# Altium PCB iMX6 Rex_V1I1_PCB.PcbDoc (part 5 of 8) (continued)
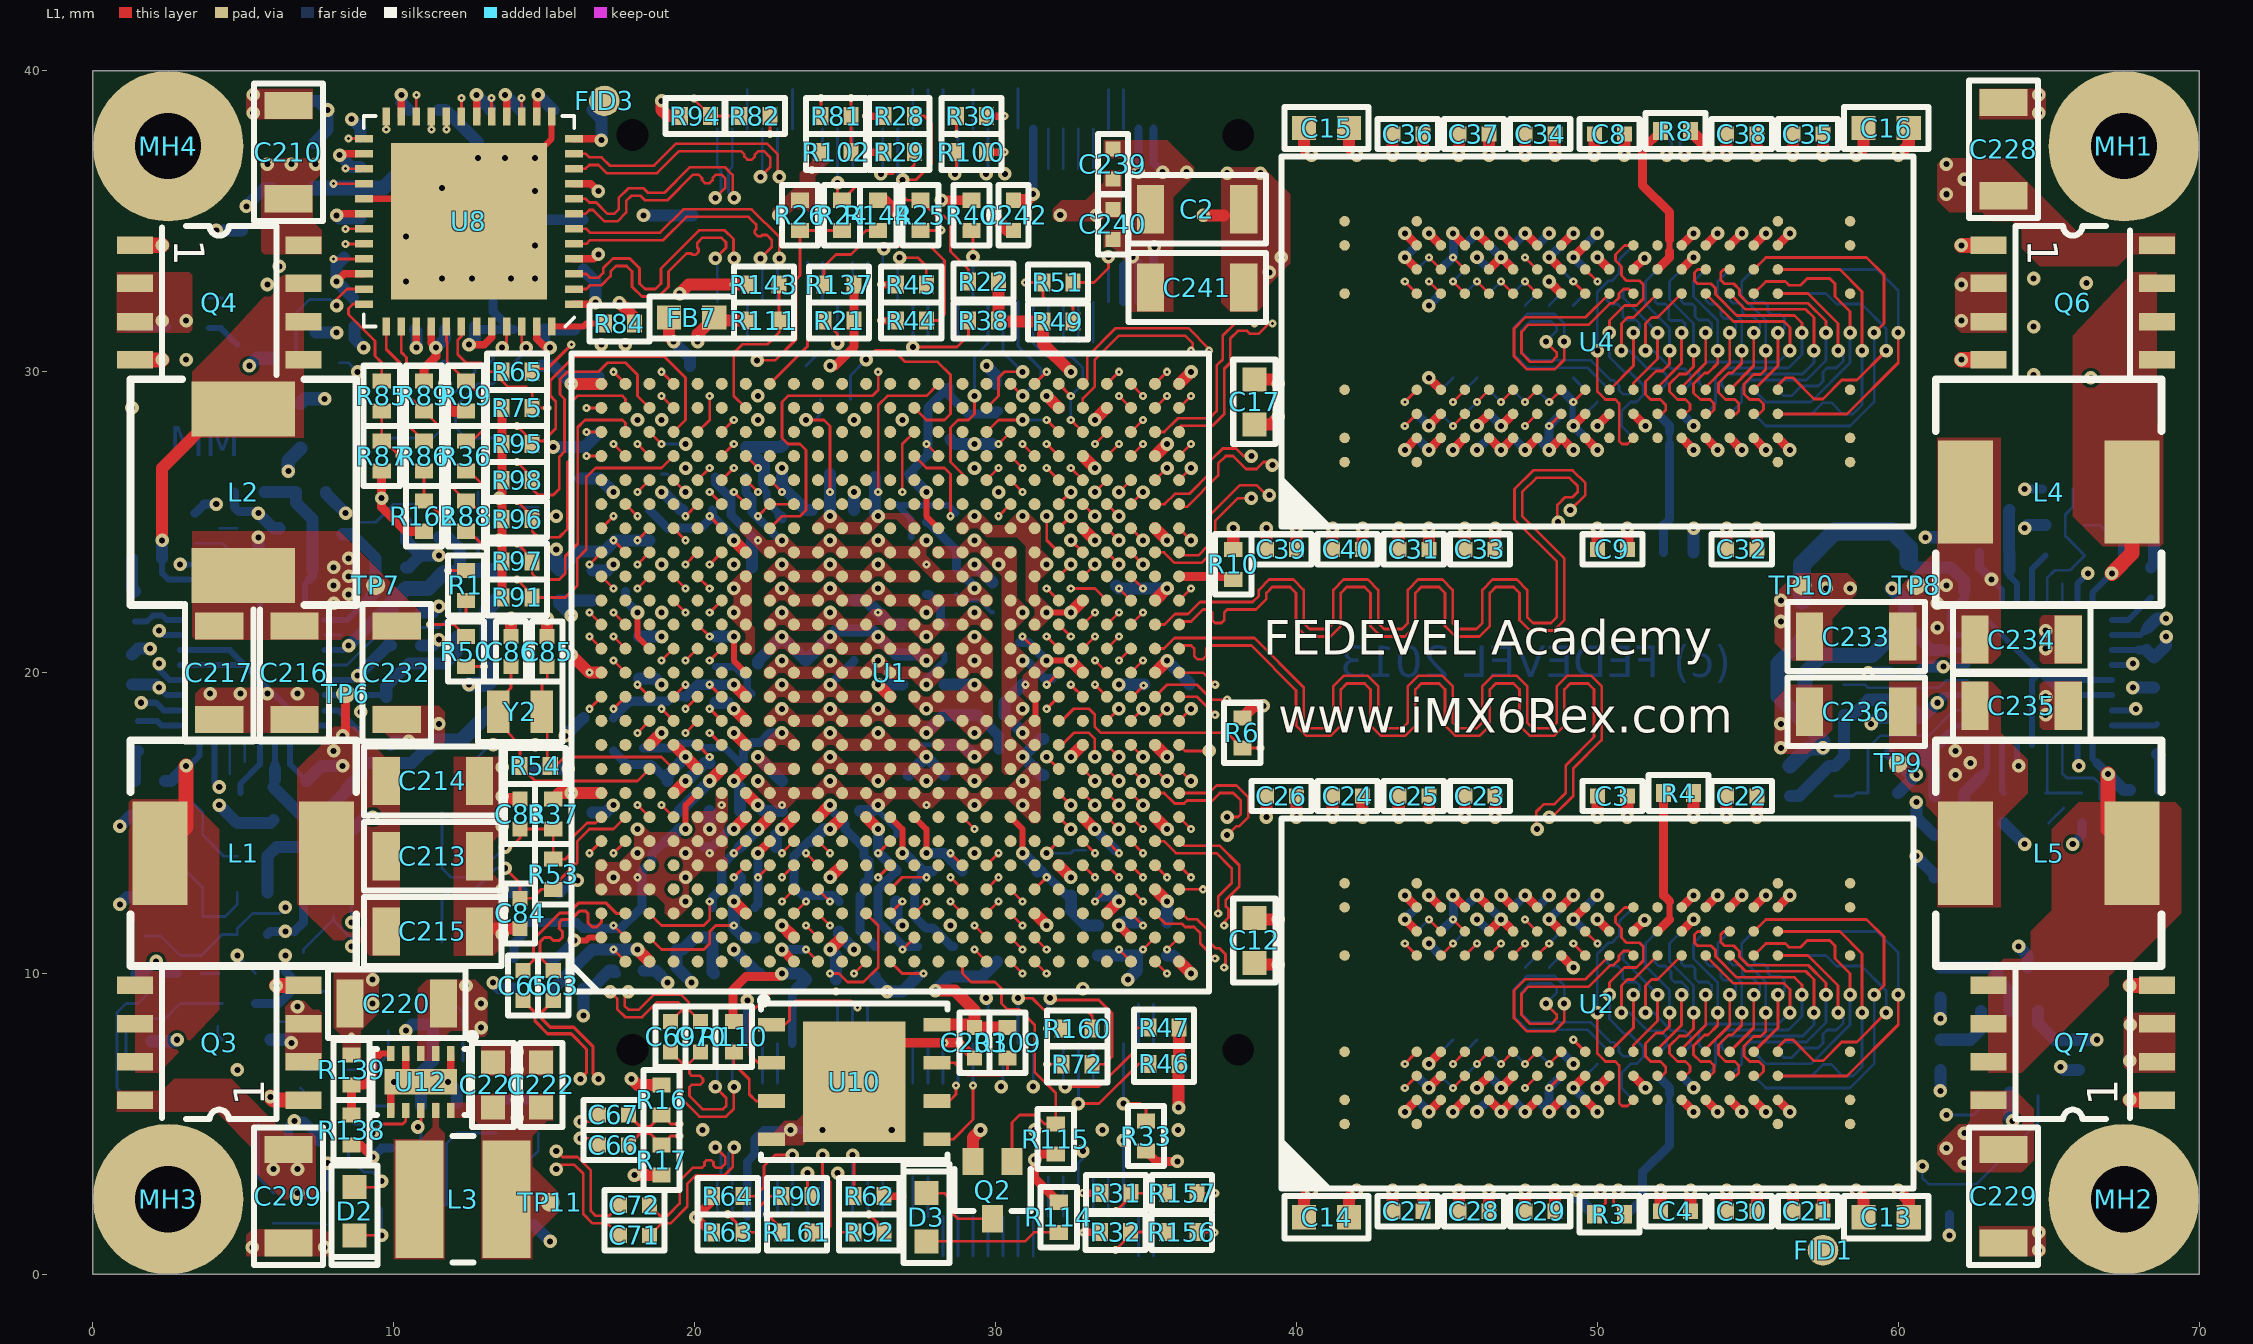
[diagram p0: L1 view]
## Nets (pads, with @x,y where several pads share a name; then routed paths per layer and width w, separated by ;. In a path a pad name is that pad's centre, name@x,y a point inside that pad or via, vN(x,y) a via of type N, cw(c..) or ccw(c..) an arc to the next point about the centre after c; other vN are vias at no path point) (continued)
  L11 w0.1: v6(25.25,33.242) v5(25.25,33.642)
  L12 w0.09: J1.41@25.25,32.33 v5(25.25,33.642)
HDMI_D1_N: J1.46 U1.J3 | length 32.1
  L1 w0.09: U1.J3@23.3,12 v4(23.7,12.4)
  L2 w0.1: v3(23.4,12.1) v4(23.7,12.4)
  L3 w0.085: v3(23.4,12.1) v4(23.7,12.4)
  L10 w0.085: v4(23.7,12.4) 23.523,12.577 23.523,12.727 23.616,12.82 23.964,12.82 24.232,12.552 24.768,12.552 25.116,12.9 25.7,12.9 26.532,13.732 26.532,14.317 27.1,14.884 27.1,25.284 27.3,25.484 27.3,27.704 27.582,27.986 27.582,29.914 26.88,30.616 26.88,31 27,31.12 27,32.86 24.98,34.88 24.98,35.416 24.548,35.848 24.216,35.848 24.06,36.004 24.06,36.14 24.25,36.331 v6(24.25,36.357)
  L11 w0.1: v6(24.25,36.357) v5(24.25,36.758)
  L12 w0.09: v5(24.25,36.758) J1.46@24.25,38.07
  other v2: 23.7,12.4
HDMI_D1_P: J1.48 U1.J4 | length 32.1
  L1 w0.09: v2(22.9,12.4) U1.J4@23.3,12.8
  L2 w0.1: v2(22.9,12.4) v3(23.2,12.7)
  L3 w0.085: v2(22.9,12.4) v3(23.2,12.7)
  L10 w0.085: v2(22.9,12.4) 23.243,12.743 23.243,12.843 23.5,13.1 24.08,13.1 24.348,12.832 24.652,12.832 25,13.18 ; v6(23.75,36.357) 23.78,36.328 23.78,35.888 24.1,35.568 24.432,35.568 24.7,35.3 24.7,34.764 26.72,32.744 26.72,31.236 26.6,31.116 26.6,30.5 27.302,29.798 27.302,28.102 27.02,27.82 27.02,25.6 26.82,25.4 26.82,15 26.252,14.433 26.252,13.848 25.584,13.18 25,13.18
  L11 w0.1: v6(23.75,36.357) v5(23.75,36.758)
  L12 w0.09: v5(23.75,36.758) J1.48@23.75,38.07
  other v4: 22.9,12.4
HDMI_D2_N: J1.40 U1.K3 | length 32.1
  L1 w0.09: U1.K3@24.1,12 v2(24.5,11.6)
  L2 w0.1: v2(24.5,11.6) v3(24.8,11.3)
  L3 w0.085: v3(24.8,11.3) v4(25.1,11.6)
  L10 w0.085: v4(25.1,11.6) 25.1,12.004 25.196,12.1 26.716,12.1 28.4,13.784 28.4,14.266 28.8,14.666 28.8,15.46 28.38,15.88 28.38,27.384 28.882,27.886 28.882,29.714 28.308,30.288 28.308,32.392 27.53,33.17 27.53,33.991 26.941,34.58 26.825,34.58 25.728,35.677 25.728,36.335 v6(25.75,36.357)
  L11 w0.1: v6(25.75,36.357) v5(25.75,36.758)
  L12 w0.09: v5(25.75,36.758) J1.40@25.75,38.07
HDMI_D2_P: J1.42 U1.K4 | length 32.1
  L1 w0.09: U1.K4@24.1,12.8 v2(24.5,12.4)
  L2 w0.1: v2(24.5,12.4) v3(24.8,12.1)
  L3 w0.085: v4(24.5,11.8) v3(24.8,12.1)
  L10 w0.085: v4(24.5,11.8) 25.08,12.38 26.6,12.38 28.12,13.9 28.12,14.382 28.52,14.782 28.52,15.344 28.1,15.764 28.1,27.5 28.602,28.002 28.602,29.598 28.028,30.172 28.028,32.277 27.25,33.054 27.25,33.875 26.825,34.3 26.709,34.3 25.448,35.561 25.448,36.133 25.25,36.331 v6(25.25,36.357)
  L11 w0.1: v6(25.25,36.357) v5(25.25,36.758)
  L12 w0.09: v5(25.25,36.758) J1.42@25.25,38.07
HDMI_DDC: R24.1 R26.2 U1.K2 | length 31.7
  L1 w0.093: v1(22.075,30.38) 22.675,30.38 23.375,31.08 23.375,33.075 23.5,33.2 R26.2@23.5,34.7 R24.1@24.9,34.7 ; v2(23.7,11.6) U1.K2@24.1,11.2
  L2 w0.1: v3(23.4,11.3) v2(23.7,11.6)
  L3 w0.08: v4(22.9,17.2) 22.525,16.825 22.525,16.295 22.23,16 21.5,16 20.9,15.4 20.9,14.485 20.5,14.085 20.5,12.6 21.1,12 21.7,12 22.475,11.225 23.325,11.225 v3(23.4,11.3)
  L10 w0.08: v1(22.075,30.38) 22.075,29.705 21.725,29.355 21.725,28.245 21.945,28.025 22.188,28.025 22.575,27.638 22.575,27.162 22.4,26.987 22.4,26.758 23,26.158 23,25.075 22.525,24.6 22.525,17.845 22.9,17.47 v4(22.9,17.2)
HDMI_HPD: C74.2 J1.43 R21.1 U1.K1 | length 37
  L1 w0.093: v2(23.7,10.8) U1.K1@24.1,10.4 ; R21.1@24.3,31.7 24.75,31.25 v1(24.75,30.955)
  L2 w0.1: v3(23.4,10.5) v2(23.7,10.8)
  L3 w0.08: v4(22.9,16.4) 22.9,15.475 22.525,15.1 22.525,13.7 22.4,13.575 22.4,12.2 22.625,11.975 23.055,11.975 23.215,11.815 23.385,11.815 23.685,11.515 23.685,10.785 v3(23.4,10.5)
  L10 w0.08: v4(22.9,16.4) 22.9,16.67 22.475,17.095 22.475,17.4 22.325,17.55 22.325,24.683 22.8,25.158 22.8,26.075 22.2,26.675 22.2,27.07 22.375,27.245 22.375,27.555 22.155,27.775 21.912,27.775 21.475,28.212 21.475,29.388 21.7,29.613 21.7,31.1 21,31.8 21,32.9 21.492,33.392 22.968,33.392 23.475,33.9 24.3,33.9 24.75,33.45 24.75,32.8 24.5,32.55 24.5,31.85 24.75,31.6 v1(24.75,30.955)
  L12 w0.101: C74.2@23.7,30.2 24.076,30.576 24.371,30.576 v1(24.75,30.955) ; v1(24.75,30.955) J1.43@24.75,32.33
HDMI_RESREF: R30.2 U1.J1 | length 1.3
  L1 w0.3: v1(22.9,10.8) U1.J1@23.3,10.4
  L12 w0.3: v1(22.9,10.8) R30.2@23.6,10.8
I2C1_SCL: J2.14 R47.1 U1.N5 | length 18.6
  L1 w0.093: v2(26.1,13.2) U1.N5@26.5,13.6 ; v1(32.313,6.242) 33.438,6.242 34.563,7.367 34.563,8.055 34.707,8.2 R47.1@35.1,8.2
  L2 w0.1: v2(26.1,13.2) v3(26.4,13.5)
  L3 w0.08: v3(26.4,13.5) 26.525,13.375 26.525,10.088 26.975,9.638 26.975,9.113 27.688,8.4 28.4,8.4 28.9,7.9 29.2,7.9 29.763,7.337 29.763,6.137 30.032,5.867 31.938,5.867 v1(32.313,6.242)
  L12 w0.093: J2.14@32.25,7.67 32.25,6.305 v1(32.313,6.242)
I2C1_SDA: J2.12 R46.1 U1.N6 | length 19.7
  L1 w0.093: v2(26.1,14) U1.N6@26.5,14.4 ; v1(32.75,5.68) 33.438,5.68 34.758,7 R46.1@35.1,7
  L2 w0.1: v2(26.1,14) v3(26.4,14.3)
  L3 w0.08: v3(26.4,14.3) 26.085,13.985 26.085,13.412 26.325,13.172 26.325,10.005 26.775,9.555 26.775,9.03 27.605,8.2 28.3,8.2 28.8,7.7 29.117,7.7 29.563,7.255 29.563,5.993 29.888,5.667 32.737,5.667 v1(32.75,5.68)
  L12 w0.101: v1(32.75,5.68) J2.12@32.75,7.67
I2C2_SCL: J1.36 R28.1 U1.U5 | length 34.9
  L1 w0.093: v1(26.912,36.38) 27.35,36.38 27.875,36.905 27.875,38.255 27.63,38.5 R28.1@27.3,38.5 ; U1.U5@29.7,13.6 v2(30.1,14)
  L2 w0.1: v2(30.1,14) v3(30.4,14.3)
  L3 w0.08: v3(30.4,14.3) 30.4,14.57 31.43,15.6 31.7,15.87 v4(31.7,16)
  L10 w0.08: 30.5,34.08 29.925,33.505 29.925,31.938 30.517,31.346 30.517,30.017 30.075,29.575 30.075,27.279 29.925,27.129 29.925,26.355 29.725,26.155 29.725,25.845 30.1,25.47 30.1,24.5 30.775,23.825 30.775,23.362 30.45,23.037 30.45,16.32 30.77,16 v4(31.7,16)
  L10 w0.101: v1(26.912,36.38) 26.912,36.001 27.584,35.33 28.53,35.33 29.08,35.88 30.2,35.88 30.6,35.48 30.6,34.18 30.5,34.08
  L12 w0.101: J1.36@26.75,38.07 26.75,36.542 v1(26.912,36.38)
I2C2_SDA: J1.38 R29.1 U1.T7 | length 31.8
  L1 w0.093: v1(26.188,36.58) 26.58,36.58 26.755,36.755 27.175,36.755 27.3,36.88 R29.1@27.3,37.3 ; U1.T7@28.9,15.2 v2(29.3,14.8)
  L2 w0.1: v3(29,15.1) v2(29.3,14.8)
  L3 w0.08: v3(29,15.1) 29.7,15.1 30.1,15.5 v4(30.1,15.9)
  L10 w0.08: v1(26.188,36.58) 26.188,36.343 27.53,35 28.62,35 29.2,35.58 30.05,35.58 30.275,35.355 30.275,34.3 29.675,33.7 29.675,31.805 30.217,31.263 30.217,30.092 29.875,29.75 29.875,27.362 29.7,27.187 29.7,26.413 29.508,26.221 29.508,25.7 29.9,25.308 29.9,24.33 30.475,23.755 30.475,23.445 30.15,23.12 30.15,15.95 v4(30.1,15.9)
  L12 w0.093: v1(26.188,36.58) 26.25,36.642 J1.38@26.25,38.07
I2C3_SCL: J2.19 R31.1 R157.2 U1.F21 | length 44.4
  L1 w0.093: U1.F21@20.9,26.4 v2(21.3,26.8) ; v2(34,2.1) 34.5,2.6 R31.1@34.5,2.7 R157.2@35.7,2.7
  L2 w0.1: v3(21,26.5) v2(21.3,26.8) ; v2(34,2.1) v3(34.3,1.8)
  L3 w0.08: v3(21,26.5) v4(21,26.9) ; v4(31.05,1.458) 31.05,1.73 31.5,2.18 31.938,2.18 32.718,1.4 33.9,1.4 v3(34.3,1.8)
  L10 w0.08: v4(21,26.9) 21,26.7 21.675,26.025 21.675,20.7 20.925,19.95 20.925,14.575 21.125,14.375 21.425,14.375 21.525,14.275 21.525,13.762 21.912,13.375 22.1,13.375 22.3,13.175 22.3,12.187 22.493,11.993 22.493,11.476 22.795,11.175 23.725,11.175 24.125,10.775 24.125,10.6 24.3,10.425 25.625,10.425 26,10.8 26.7,10.8 27.4,10.1 27.4,8.4 28.3,7.5 29.022,7.5 29.563,6.96 29.563,5.838 28.925,5.2 28.925,3.313 30.78,1.458 v4(31.05,1.458) 31.05,1.318 v6(30.75,1.018)
  L11 w0.1: v5(30.75,0.617) v6(30.75,1.018)
  L12 w0.093: v5(30.75,0.617) J2.19@30.75,1.93
I2C3_SDA: J2.17 R32.1 R156.2 U1.D24 | length 45.4
  L1 w0.093: v2(18.9,29.2) U1.D24@19.3,28.8 ; v2(33.987,0.808) 34.487,1.308 R32.1@34.487,1.408 R156.2@35.687,1.408
  L2 w0.1: v2(18.9,29.2) v3(19.3,29.2) ; v2(33.987,0.808) v3(34.287,1.107)
  L3 w0.08: v3(19.3,29.2) v4(19.6,28.9) ; v4(31.75,1.758) 32.39,1.118 34.277,1.118 v3(34.287,1.107)
  L10 w0.08: v4(19.6,28.9) 21.375,27.125 21.375,26.695 21.925,26.145 21.925,20.525 21.725,20.325 21.725,16.245 21.3,15.82 21.3,15.33 21.725,14.905 21.725,13.845 21.995,13.575 22.183,13.575 22.5,13.258 22.5,12.27 22.745,12.025 23.005,12.025 23.43,11.6 23.775,11.6 24.2,11.175 26.725,11.175 27.625,10.275 27.625,8.575 28.45,7.75 29.155,7.75 29.813,7.093 29.813,5.643 29.125,4.955 29.125,4.645 29.285,4.485 29.285,3.336 30.788,1.833 31.675,1.833 v4(31.75,1.758) 31.75,1.518 v6(31.25,1.018)
  L11 w0.1: v5(31.25,0.617) v6(31.25,1.018)
  L12 w0.093: v5(31.25,0.617) J2.17@31.25,1.93
I2C4_SCL: J1.35 R45.1 R157.1 U1.E15 | length 154.3
  L1 w0.093: U1.E15@20.1,21.6 v2(20.5,21.2) ; v1(26.813,33.793) 27.412,33.793 27.7,33.505 R45.1@27.7,32.9 ; R157.1@36.7,2.7 v2@37.292,2.7
  L2 w0.1: v2(20.5,21.2) v3(20.8,21.5) ; v3(37.3,2.3) v2(37.3,2.7)
  L3 w0.08: v4(13.9,3.8) 14.775,2.925 15.725,2.925 16.2,3.4 17.325,3.4 17.8,2.925 18.225,2.925 18.559,3.259 19.676,3.259 20.117,3.7 21.983,3.7 22.69,2.993 24.93,2.993 25.312,3.375 26.1,3.375 26.375,3.1 29.283,3.1 29.583,2.8 33.783,2.8 34.041,2.541 34.5,2.541 35.341,1.7 36.4,1.7 37,2.3 v3(37.3,2.3) 37.9,1.7 60.73,1.7 62.715,3.685 62.715,6.815 63.8,7.9 v4(63.8,9.3) ; v2(20.5,21.2) v3(20.8,21.5) ; v1(26.813,33.793) 27.338,33.793 27.74,34.195 29.795,34.195 30.805,35.205 31.625,35.205 31.775,35.355 31.775,35.36 31.995,35.58 32.305,35.58 32.555,35.33 32.945,35.33 33.195,35.58 36.5,35.58 36.87,35.95 37.863,35.95 38.425,36.512 38.425,36.855 38.545,36.975 39,36.975 39.6,37.575 51.055,37.575 51.33,37.3 51.33,36.17 52.4,35.1 62.9,35.1 v4(64,34)
  L10 w0.08: v4(13.9,3.8) 13.9,4.63 13.725,4.805 13.725,7.567 14.1,7.942 14.1,8.5 15.625,10.025 15.625,11.255 15.725,11.355 15.725,14.775 15.525,14.975 15.525,16.155 15.745,16.375 15.975,16.375 16.3,16.7 16.3,18.4 16.075,18.625 16.075,19.505 16.675,20.105 16.675,20.705 17.07,21.1 18.47,21.1 18.745,20.825 20.125,20.825 v2(20.5,21.2) ; v4(63.8,9.3) 64.7,10.2 64.7,14.4 64.375,14.725 64.375,17.3 64.1,17.575 64.1,23.6 64.875,24.375 64.875,33.355 64.23,34 v4(64,34)
  L12 w0.093: J1.35@26.75,32.33 26.75,33.73 v1(26.813,33.793)
  other v4: 20.5,21.2
I2C4_SDA: J1.37 R44.1 R156.1 U1.D16 | length 158.7
  L1 w0.093: U1.D16@19.3,22.4 v2(19.7,22) ; v1(26.288,34.093) 26.363,34.168 27.832,34.168 28.3,33.7 28.3,31.9 28.1,31.7 R44.1@27.7,31.7 ; R156.1@36.687,1.408 v2@37.267,1.408
  L2 w0.1: v3(19.7,21.6) v2(19.7,22) ; v3(36.88,1.395) v2(37.28,1.395)
  L3 w0.08: v4(13.5,4.5) 13.5,3.67 14.445,2.725 15.908,2.725 16.333,3.15 17.192,3.15 17.617,2.725 18.408,2.725 18.692,3.009 19.809,3.009 20.25,3.45 21.83,3.45 22.487,2.793 25.013,2.793 25.395,3.175 25.9,3.175 26.275,2.8 29.2,2.8 29.5,2.5 32.3,2.5 32.4,2.6 33.7,2.6 34,2.3 34.3,2.3 35.205,1.395 v3(36.88,1.395) 60.908,1.395 63.1,3.587 63.1,6.7 64.3,7.9 v4(64.3,8.5) ; v4(19.7,21.2) v3(19.7,21.6) ; v1(26.288,34.093) 26.582,34.093 26.657,34.168 27.38,34.168 27.632,34.42 29.65,34.42 30.685,35.455 31.587,35.455 32.032,35.9 32.268,35.9 32.526,35.643 32.974,35.643 33.232,35.9 36.4,35.9 36.7,36.2 37.83,36.2 38.225,36.595 38.225,36.938 38.462,37.175 38.9,37.175 39.575,37.85 51.163,37.85 51.73,37.283 51.73,36.253 52.483,35.5 63.3,35.5 v4(64,34.8)
  L10 w0.08: v4@13.525,4.5 13.525,7.65 13.775,7.9 13.775,8.475 15.4,10.1 15.4,11.4 15.475,11.475 15.475,14.742 15.325,14.892 15.325,16.855 16.075,17.605 16.075,18.342 15.875,18.542 15.875,19.762 16.475,20.362 16.475,20.788 16.987,21.3 18.3,21.3 18.575,21.575 19.325,21.575 v4(19.7,21.2) ; v4(64,34.8) 64,34.73 65.275,33.455 65.275,24.292 64.5,23.517 64.5,17.658 64.775,17.383 64.775,14.808 65.1,14.483 65.1,9.3 v4(64.3,8.5)
  L12 w0.093: J1.37@26.25,32.33 26.25,34.055 v1(26.288,34.093)
JTAG_MOD: R61.2 U1.H6 | length 2.4
  L1 w0.3: v1(22.1,14) U1.H6@22.5,14.4
  L12 w0.3: R61.2@22,12.2 22.1,12.3 v1(22.1,14)
JTAG_NTRST: J2.41 R62.1 U1.C2 | length 16.2
  L1 w0.093: U1.C2@18.5,11.2 18.9,10.8 20.3,10.8 20.5,11 20.5,11.4 20.7,11.6 v2(21.3,11.6) ; v1(25.25,3.968) 25.3,3.918 R62.1@25.3,2.6
  L2 w0.1: v2(21.3,11.6) v3(21.6,11.3)
  L3 w0.08: v3(21.6,11.3) v4(22.1,10.8)
  L10 w0.08: v4(22.1,10.8) 22.1,10.179 22.725,9.554 22.725,8.767 25.238,6.255 25.238,3.981 v1(25.25,3.968)
  L12 w0.093: J2.41@25.25,1.93 v1(25.25,3.968)
JTAG_TCK: J2.43 R92.2 | length 3.9
  L1 w0.093: v1(24.75,3.368) 24.75,1.55 24.9,1.4 R92.2@25.3,1.4
  L12 w0.093: J2.43@24.75,1.93 v1(24.75,3.368)
JTAG_TCK_R: R92.1 U1.H5 | length 20.7
  L1 w0.093: v2(22.1,13.2) U1.H5@22.5,13.6 ; v2(25.8,2) 26.3,1.5 R92.1@26.3,1.4
  L2 w0.1: v3(21.8,13.5) v2(22.1,13.2) ; v2(25.8,2) v3(25.8,2.4)
  L3 w0.08: v3(21.8,13.5) 21.9,13.4 v4(21.9,13) ; v4(25.55,2.8) 25.55,2.65 v3(25.8,2.4)
  L10 w0.08: v4(21.9,13) 22,12.9 22,11.613 22.475,11.138 22.475,10.695 22.77,10.4 23.925,10.4 24.075,10.25 24.075,10 23.925,9.85 23.3,9.85 23.15,9.7 23.15,9.45 23.3,9.3 24.1,9.3 24.25,9.15 24.25,8.9 24.1,8.75 23.65,8.75 23.5,8.6 23.5,8.35 23.65,8.2 23.855,8.2 24.855,7.2 25.8,7.2 25.95,7.05 25.95,6.8 25.794,6.644 25.594,6.644 25.438,6.488 25.438,6.238 25.594,6.083 25.594,5.7 25.494,5.6 25.494,5.306 25.6,5.2 26,5.2 26.15,5.05 26.15,4.8 26,4.65 25.65,4.65 25.5,4.5 25.5,4.25 25.665,4.085 25.665,3.6 25.334,3.269 25.325,3.269 25.325,3.025 v4(25.55,2.8)
JTAG_TDI: J2.47 R90.2 | length 2.3
  L1 w0.093: v1(23.75,3.368) 23.75,2.75 R90.2@23.9,2.6
  L12 w0.093: J2.47@23.75,1.93 v1(23.75,3.368)
JTAG_TDI_R: R63.1 R90.1 U1.G5 | length 20.9
  L1 w0.093: v2(21.1,2) 21.6,1.5 R63.1@21.6,1.4 22,1.4 22.1,1.5 22.1,2.2 22.5,2.6 R90.1@22.9,2.6 ; v2(21.3,13.2) U1.G5@21.7,13.6
  L2 w0.1: v3(21,13.5) v2(21.3,13.2) ; v2(21.1,2) v3(21.1,2.4)
  L3 w0.08: v3(21,13.5) 21,13.1 v4(21.1,13) ; v3(21.1,2.4) v4(21.1,2.8)
  L10 w0.08: v4(21.1,2.8) 21.42,2.8 21.795,3.175 23.325,3.175 23.507,2.993 24.125,2.993 24.313,3.18 24.313,3.5 24.625,3.813 24.625,4.367 24.838,4.579 24.838,5.262 24.677,5.423 24.677,6.15 22.325,8.502 22.325,9.388 21.984,9.729 21.841,9.729 20.925,10.645 20.925,11.295 21.175,11.545 21.175,11.995 20.925,12.245 20.925,12.825 v4(21.1,13)
JTAG_TDO: J2.45 R161.2 | length 5.2
  L1 w0.093: R161.2@23.9,1.4 24.3,1.4 24.5,1.6 24.5,3.088 24.25,3.338 v1(24.25,3.968)
  L12 w0.093: J2.45@24.25,1.93 v1(24.25,3.968)
JTAG_TDO_R: R161.1 U1.G6 | length 19.4
  L1 w0.093: v2(21.3,14) U1.G6@21.7,14.4 ; v2(22.4,2) 22.9,1.5 R161.1@22.9,1.4
  L2 w0.1: v2(21.3,14) v3(21.6,14.3) ; v2(22.4,2) v3(22.4,2.4)
  L3 w0.08: v4(21.1,14) 21.4,14.3 v3(21.6,14.3) ; v4(21.95,2.8) 22,2.8 v3(22.4,2.4)
  L10 w0.08: v4(21.1,14) 21.1,13.755 21.525,13.33 21.525,12.705 21.675,12.555 21.675,10.321 22.525,9.471 22.525,8.635 24.95,6.21 24.95,5.433 25.038,5.345 25.038,4.496 24.875,4.334 24.875,3.773 25.125,3.523 25.125,3.205 24.712,2.793 v4@21.95,2.793
JTAG_TMS: J2.49 R64.1 U1.C3 | length 18.8
  L1 w0.093: U1.C3@18.5,12 18.9,11.6 20.3,11.6 20.5,11.8 v2(20.5,12.4) ; R64.1@21.6,2.6 22,2.6 22.3,2.9 22.3,3.6 22.668,3.968 v1(23.25,3.968)
  L2 w0.1: v3(20.5,12) v2(20.5,12.4)
  L3 w0.08: v3(20.5,12) v4(20.8,11.7)
  L10 w0.08: v4(20.8,11.7) 20.725,11.625 20.725,10.462 21.658,9.529 21.859,9.529 22.125,9.263 22.125,8.369 24.394,6.1 24.394,5.306 24.638,5.062 24.638,4.662 24.405,4.43 23.712,4.43 v1(23.25,3.968)
  L12 w0.093: J2.49@23.25,1.93 v1(23.25,3.968)
LED1: R82.1 R94.1 U8.17 | length 10.5
  L1 w0.093: U8.17@13.25,38.49 v2(13.25,39.1) ; v2(19.975,39.08) 19.975,39.05 R94.1@20.525,38.5 R82.1@21.5,38.5
  L2 w0.1: v3(13.25,38.7) v2(13.25,39.1) ; v3(19.975,38.68) v2(19.975,39.08)
  L3 w0.08: v3(13.25,38.7) 13.535,38.415 14.368,38.415 14.503,38.55 17.15,38.55 17.4,38.8 18.287,38.8 18.662,38.425 19.138,38.425 19.413,38.7 v3@19.975,38.7
LED2: R81.1 R102.2 U8.15 | length 14.2
  L1 w0.093: U8.15@14.25,38.49 v2(14.25,39.1) ; R102.2@25.2,37.3 R81.1@25.2,38.5 v2(25.2,39.1)
  L2 w0.1: v3(14.25,38.7) v2(14.25,39.1) ; v3(24.8,39.1) v2(25.2,39.1)
  L3 w0.08: v3(14.25,38.7) 14.35,38.8 17.1,38.8 17.3,39 18.37,39 18.745,38.625 19.055,38.625 19.415,38.985 24.685,38.985 v3(24.8,39.1)
LGATE1_2V5: Q6.4 U13.18 | length 16.2
  L1 w0.5: v1(62.1,30.4) 62.995,30.4 Q6.4@63,30.395
  L3 w0.5: 68.7,22 v1(68.9,21.8)
  L3 w0.6: 62.1,30.1 v1(62.1,30.4) ; 64.3,23.2 65.2,22.3 68.4,22.3 68.7,22
  L3 w0.8: 62.1,30.1 62.1,25.4 64.3,23.2
  L12 w0.2: U13.18@67.1,21.25 68.05,21.25 68.2,21.4
  L12 w0.3: 68.2,21.4 68.3,21.5
  L12 w0.4: 68.3,21.5 68.6,21.8 v1(68.9,21.8)
LGATE1_3V3: Q3.4 U11.18 | length 18.2
  L1 w0.5: v1(6.1,9.6) 6.995,9.6 Q3.4@7,9.605
  L3 w0.6: v1(1.6,19) 2,18.6 ; 5.8,9.3 v1(6.1,9.6)
  L3 w0.8: 2,18.6 2.6,18 4.4,18 5.4,17 5.4,15.5 3.4,13.5 3.4,9.9 4.3,9 5.5,9 5.8,9.3
  L12 w0.2: v1(1.6,19) 2.1,19 2.35,18.75 U11.18@2.9,18.75
LGATE2_1V5: Q7.4 U13.23 | length 11
  L1 w0.5: v1(67.7,9.6) 68.595,9.6 Q7.4@68.6,9.605
  L3 w0.5: 67.7,18.4 67.7,18.6 v1(67.9,18.8)
  L3 w0.6: v1(67.7,9.6) 67.7,9.9
  L3 w0.8: 67.7,9.9 67.7,18.4
  L12 w0.2: U13.23@67.1,18.75 67.85,18.75 v1(67.9,18.8)
LGATE2_1V375: Q4.4 U11.23 | length 11.2
  L1 w0.5: Q4.4@1.4,30.395 v1@2.295,30.395
  L3 w0.6: 1.9,21.7 v1(2.2,21.4) ; 2.3,30 v1(2.3,30.4)
  L3 w0.8: 1.9,21.7 1.575,22.025 1.575,27.975 2.3,28.7 2.3,30
  L12 w0.2: v1(2.2,21.4) 2.35,21.25 U11.23@2.9,21.25
LVDS0_CABC: J2.6 R33.1 U1.A17 | length 46.6
  L1 w0.093: U1.A17@16.9,23.2 v2(17.3,22.8) ; v1(34.25,5.68) 34.82,5.68 35,5.5 R33.1@35,5.1
  L2 w0.1: v3(17,22.5) v2(17.3,22.8)
  L3 w0.08: v4(12.9,7.1) 12.9,7.3 13.65,8.05 14.633,8.05 15.517,7.166 15.517,6.408 15.8,6.125 16.875,6.125 17.55,5.45 17.892,5.45 18.167,5.725 18.925,5.725 19.2,6 20.2,6 20.4,5.8 21.083,5.8 21.183,5.7 22.219,5.7 22.489,5.43 25.596,5.43 25.853,5.173 26.105,5.173 26.344,5.412 26.825,5.412 27.12,5.118 28.954,5.118 29.212,5.375 29.833,5.375 30.158,5.05 30.687,5.05 31.012,5.375 31.65,5.375 31.9,5.125 33.282,5.125 33.838,5.68 v1(34.25,5.68) ; v3(17,22.5) v4(17.3,22.2)
  L10 w0.08: v4(12.9,7.1) 12.9,7.67 13.275,8.045 13.275,8.975 14.7,10.4 14.7,17.07 15.119,17.489 15.119,18.132 15.3,18.313 15.3,20.53 15.87,21.1 16.221,21.1 17.3,22.179 v4(17.3,22.2)
  L12 w0.093: v1(34.25,5.68) J2.6@34.25,7.67
LVDS0_CLK_N: J2.13 U1.V4 | length 17.5
  L1 w0.09: U1.V4@30.5,12.8 v2(30.9,12.4)
  L2 w0.1: v3(30.6,12.7) v2(30.9,12.4)
  L3 w0.085: v4(30.3,12.4) v3(30.6,12.7)
  L10 w0.085: v4(30.3,12.4) 29.62,11.72 29.62,10.42 29.4,10.2 28.804,10.2 28.368,9.763 28.368,9.032 28.868,8.532 30.168,8.532 30.6,8.1 30.6,4.956 30,4.356 30,3.6 30.708,2.892 32,2.892 v6(32.05,2.843)
  L11 w0.1: v6(32.05,2.843) 32.05,3.043 v5(32.25,3.243)
  L12 w0.09: J2.13@32.25,1.93 v5(32.25,3.243)
LVDS0_CLK_P: J2.15 U1.V3 | length 17.5
  L1 w0.09: U1.V3@30.5,12 v2(30.9,11.6)
  L2 w0.1: v3(30.6,11.9) v2(30.9,11.6)
  L3 w0.085: v3(30.6,11.9) v4(30.9,12.2)
  L10 w0.085: v4(30.9,12.2) 30.754,12.2 30.492,11.938 30.233,11.938 29.9,11.604 29.9,10.304 29.516,9.92 28.92,9.92 28.648,9.648 28.648,9.148 28.983,8.812 30.283,8.812 30.88,8.216 30.88,4.84 30.28,4.24 30.28,3.716 30.823,3.172 31.85,3.172 31.95,3.273 v6(31.95,3.643)
  L11 w0.1: v5(31.75,3.243) 31.95,3.443 v6(31.95,3.643)
  L12 w0.09: J2.15@31.75,1.93 v5(31.75,3.243)
LVDS0_PWM: J2.5 U1.F18 | length 52.6
  L1 w0.093: v2(20.5,23.6) U1.F18@20.9,24
  L2 w0.1: v3(20.1,23.3) 20.4,23.6 v2(20.5,23.6)
  L3 w0.08: v4(13.1,6.3) 13.275,6.475 13.275,7.175 13.9,7.8 14.55,7.8 15.317,7.033 15.317,6.225 15.617,5.925 16.742,5.925 17.467,5.2 17.975,5.2 18.3,5.525 19.008,5.525 19.283,5.8 20.117,5.8 20.317,5.6 21,5.6 21.2,5.4 22.136,5.4 22.356,5.18 25.467,5.18 25.747,4.9 26.115,4.9 26.395,5.18 26.724,5.18 27.037,4.868 29.037,4.868 29.345,5.175 29.7,5.175 30.075,4.8 30.77,4.8 31.145,5.175 31.505,5.175 31.805,4.875 32.938,4.875 33.383,4.43 34.225,4.43 v1(34.25,4.455) ; v3(20.1,23.3) 20.1,23.1 v4(20.4,22.8)
  L10 w0.08: v4(13.1,6.3) 13.275,6.475 13.275,7.762 13.475,7.962 13.475,8.892 14.9,10.317 14.9,16.987 15.319,17.406 15.319,18.049 15.5,18.23 15.5,20 15.7,20.2 16.03,20.2 16.275,20.445 16.275,20.871 17.004,21.6 18.23,21.6 18.525,21.895 18.525,22.155 18.745,22.375 19.1,22.375 19.85,21.625 20.655,21.625 20.9,21.87 20.9,22.3 v4(20.4,22.8)
  L12 w0.093: J2.5@34.25,1.93 v1(34.25,4.455)
LVDS0_TX0_N: J2.2 U1.U2 | length 17.4
  L1 w0.09: v2(29.3,11.6) U1.U2@29.7,11.2
  L2 w0.1: v3(29,11.3) v2(29.3,11.6)
  L3 w0.085: v4(28.6,10.9) v3(29,11.3)
  L10 w0.085: v4(28.6,10.9) 28.783,11.082 28.783,11.363 28.868,11.448 28.868,11.752 28.52,12.1 28.52,13.036 29.117,13.632 29.452,13.632 30.492,14.672 31.944,14.672 33.28,13.336 33.28,13.02 33.733,12.568 33.733,11.383 35.048,10.068 35.048,8.911 34.85,8.713 v6(34.85,8.582)
  L11 w0.1: v6(34.85,8.582) v5(35.25,8.982)
  L12 w0.09: J2.2@35.25,7.67 v5(35.25,8.982)
LVDS0_TX0_P: J2.4 U1.U1 | length 17.4
  L1 w0.09: v2(29.3,10.8) U1.U1@29.7,10.4
  L2 w0.1: v2(29.3,10.8) v3(29.6,11.1)
  L3 w0.085: v4(29.2,10.7) v3(29.6,11.1)
  L10 w0.085: v4(29.2,10.7) 29.063,10.837 29.063,11.247 29.148,11.332 29.148,11.868 28.8,12.216 28.8,12.92 29.233,13.352 29.568,13.352 30.608,14.392 31.828,14.392 32.12,14.1 32.12,13.9 31.96,13.74 31.96,13.6 32.07,13.49 32.21,13.49 32.37,13.65 32.57,13.65 33,13.22 33,12.904 33.453,12.452 33.453,11.267 34.768,9.952 34.768,9.027 34.35,8.609 v6(34.35,8.582)
  L11 w0.1: v6(34.35,8.582) v5(34.75,8.982)
  L12 w0.09: J2.4@34.75,7.67 v5(34.75,8.982)
LVDS0_TX1_N: J2.8 U1.U4 | length 17.4
  L1 w0.09: U1.U4@29.7,12.8 v2(30.1,13.2)
  L2 w0.1: v3(29.8,12.9) v2(30.1,13.2)
  L3 w0.085: v4(29.3,12.9) 29.4,12.8 29.7,12.8 v3(29.8,12.9)
  L10 w0.085: v4(29.3,12.9) 29.303,12.903 29.687,12.903 29.964,13.18 31.368,13.18 32.932,11.616 32.932,11.068 33.548,10.452 33.548,9.368 33.9,9.016 33.9,8.38 34.242,8.038 35.162,8.038 35.7,7.5 35.7,6.254 35.296,5.85 34.684,5.85 34.28,6.254 34.28,6.52 34.042,6.758 v6(33.75,6.758)
  L11 w0.1: v5(33.75,6.358) v6(33.75,6.758)
  L12 w0.09: v5(33.75,6.358) J2.8@33.75,7.67
LVDS0_TX1_P: J2.10 U1.U3 | length 17.4
  L1 w0.09: U1.U3@29.7,12 v2(30.1,12.4)
  L2 w0.1: v3(29.8,12.1) v2(30.1,12.4)
  L3 w0.085: v4(29.3,12.3) 29.6,12.3 v3(29.8,12.1)
  L10 w0.085: v4(29.3,12.3) 29.354,12.3 29.677,12.623 29.803,12.623 30.08,12.9 31.252,12.9 32.652,11.5 32.652,10.952 33.268,10.337 33.268,9.252 33.62,8.9 33.62,8.264 34.126,7.758 35.046,7.758 35.42,7.384 35.42,6.37 35.18,6.13 34.8,6.13 34.56,6.37 34.56,6.636 34.158,7.038 33.997,7.038 33.904,7.13 33.43,7.13 33.25,6.95 v6(33.25,6.758)
  L11 w0.1: v5(33.25,6.358) v6(33.25,6.758)
  L12 w0.09: v5(33.25,6.358) J2.10@33.25,7.67
LVDS0_TX2_N: J2.1 U1.V2 | length 17.4
  L1 w0.09: U1.V2@30.5,11.2 v2(30.9,10.8)
  L2 w0.1: v3(30.6,11.1) v2(30.9,10.8)
  L3 w0.085: v4(30.3,10.8) v3(30.6,11.1)
  L10 w0.085: v4(30.3,10.8) 30.892,10.8 31.276,10.416 31.276,9.878 31.398,9.757 31.398,8.898 31.945,8.351 31.945,6.071 32.3,5.716 32.3,5.152 31.948,4.8 31.948,4.6 32.508,4.04 32.508,3.841 32.815,3.533 32.815,2.781 33.131,2.465 35.435,2.465 35.8,2.1 35.8,1.567 v6(35.25,1.017)
  L11 w0.1: v5(35.25,0.617) v6(35.25,1.017)
  L12 w0.09: v5(35.25,0.617) J2.1@35.25,1.93
LVDS0_TX2_P: J2.3 U1.V1 | length 17.4
  L1 w0.09: U1.V1@30.5,10.4 v2(30.9,10)
  L2 w0.1: v3(30.6,10.3) v2(30.9,10)
  L3 w0.085: v4(30.3,10) v3(30.6,10.3)
  L10 w0.085: v4(30.3,10) 30.3,10.146 30.674,10.52 30.776,10.52 30.996,10.3 30.996,9.762 31.118,9.641 31.118,8.782 31.665,8.235 31.665,5.955 32.02,5.6 32.02,5.268 31.668,4.916 31.668,4.484 32.228,3.924 32.228,3.725 32.535,3.418 32.535,2.665 33.015,2.185 35.319,2.185 35.52,1.984 35.52,1.683 35.227,1.39 35.096,1.39 34.75,1.044 v6(34.75,1.017)
  L11 w0.1: v5(34.75,0.617) v6(34.75,1.017)
  L12 w0.09: v5(34.75,0.617) J2.3@34.75,1.93
LVDS0_TX3_N: J2.7 U1.W2 | length 17.4
  L1 w0.09: U1.W2@31.3,11.2 v4(31.7,10.8)
  L2 w0.1: v3(31.4,11.1) v4(31.7,10.8)
  L3 w0.085: v3(31.4,11.1) v4(31.7,10.8)
  L10 w0.085: v4(31.7,10.8) 31.882,10.618 32.178,10.618 32.532,10.263 32.532,9.168 32.968,8.733 32.968,6.443 34.098,5.312 34.483,5.312 34.9,4.896 35.449,4.896 35.913,4.432 36.568,4.432 36.98,4.02 36.98,3.484 36.516,3.02 35.68,3.02 35.057,3.643 v6(33.75,3.643)
  L11 w0.1: v5(33.75,3.243) v6(33.75,3.643)
  L12 w0.09: J2.7@33.75,1.93 v5(33.75,3.243)
  other v2: 31.7,10.8
LVDS0_TX3_P: J2.9 U1.W1 | length 17.4
  L1 w0.09: U1.W1@31.3,10.4 v4(31.7,10)
  L2 w0.1: v3(31.4,10.3) v4(31.7,10)
  L3 w0.085: v3(31.4,10.3) v4(31.7,10)
  L10 w0.085: v4(31.7,10) 31.7,10.237 31.8,10.338 32.062,10.338 32.252,10.148 32.252,9.053 32.688,8.617 32.688,6.327 33.982,5.032 34.368,5.032 34.784,4.616 35.333,4.616 35.797,4.152 36.452,4.152 36.7,3.904 36.7,3.6 36.4,3.3 35.796,3.3 35.173,3.923 33.997,3.923 33.904,4.015 33.596,4.015 33.25,3.669 v6(33.25,3.643)
  L11 w0.1: v5(33.25,3.243) v6(33.25,3.643)
  L12 w0.09: J2.9@33.25,1.93 v5(33.25,3.243)
  other v2: 31.7,10
NetC88_1: C88.1 U6.4 | length 2.1
  L12 w0.4: C88.1@61.4,7.8 62.4,7.8 62.75,8.15 U6.4@62.75,8.75
NetC211_2: C211.2 R122.1 | length 1
  L12 w0.4: C211.2@1.4,16.4 1.4,17.3 R122.1@1.5,17.4
NetC212_1: C212.1 R121.2 | length 1.1
  L12 w0.4: C212.1@1.3,23.8 1.3,22.8 R121.2@1.4,22.7
NetC230_2: C230.2 R145.1 | length 1.1
  L12 w0.4: R145.1@68.4,23.5 68.5,23.6 C230.2@68.5,24.6
NetC231_1: C231.1 R146.2 | length 1.2
  L12 w0.4: R146.2@68.6,17.3 68.7,17.2 C231.1@68.7,16.1
NetD2_1: D2.1 Q1.3 | length 2
  L1 w0.093: D2.1@8.7,1.3 v1(9.6,1.3)
  L12 w0.093: Q1.3@9.45,2.3 9.6,2.15 v1(9.6,1.3)
NetD2_2: D2.2 R113.1 | length 2.9
  L1 w0.093: D2.2@8.7,2.9 9.4,2.9 v1(9.6,3.1)
  L12 w0.093: R113.1@8.5,4.4 8.5,3.9 9,3.4 9.3,3.4 v1(9.6,3.1)
NetD3_1: D3.1 Q2.3 | length 2.8
  L1 w0.093: D3.1@27.7,2.7 28.3,2.7 28.5,2.5 28.5,2.1 28.75,1.85 Q2.3@29.9,1.85
NetD3_2: D3.2 R114.1 | length 4.5
  L1 w0.093: D3.2@27.7,1.1 30.983,1.1 31.283,1.4 R114.1@32.1,1.4
NetQ5_1: Q5.1 Q8.3 R131.1 | length 5
  L12 w0.093: Q5.1@1.75,13.95 2.55,13.95 3.65,12.85 Q8.3@3.65,11.9 4.4,11.9 4.8,12.3 R131.1@4.8,12.7
NetR106_1: R106.1 U12.8 | length 1.4
  L1 w0.093: v1(10.8,4.9) 10.9,5 U12.8@10.9,5.45
  L12 w0.093: v1(10.8,4.9) 10.9,4.8 R106.1@10.9,4.2 R106.1@10.9,4.1
NetR109_2: R109.2 U10.7 | length 3
  L1 w0.093: U10.7@28.05,7.035 28.645,7.035 29.063,6.618 30.218,6.618 30.4,6.8 R109.2@30.4,7.2
NetR110_1: R110.1 U10.3 | length 2.5
  L1 w0.093: R110.1@21.3,7.4 21.3,7 21.813,6.487 21.813,5.987 22.035,5.765 U10.3@22.55,5.765
NetR121_1: R121.1 U11.24 | length 1.6
  L12 w0.2: R121.1@1.4,21.7 1.8,21.7 2,21.9 2.301,21.9 2.451,21.75 U11.24@2.9,21.75
NetR122_2: R122.2 U11.17 | length 2.1
  L12 w0.2: U11.17@2.9,18.25 2.275,18.25 2.125,18.4 ; 2.125,18.4 R122.2@1.5,18.4 2.125,18.4
NetR124_1: R124.1 U11.31 | length 1.5
  L12 w0.2: R124.1@6.2,23.8 6.55,23.45 U11.31@6.55,22.4
NetR125_2: R125.2 U11.12 | length 1.9
  L12 w0.2: R125.2@4.9,16 4.9,16.3 5.55,16.95 U11.12@5.55,17.6
NetR128_1: R128.1 R133.2 U11.2 | length 7.5
  L10 w0.08: v6(8.5,21.575) 8.5,21.9 8.9,22.3 v6(8.9,24.6)
  L11 w0.1: v5(8.2,21.275) v6(8.5,21.575) ; v6(8.9,24.6) v5(8.9,25)
  L12 w0.093: U11.2@7.7,21.25 v5@8.25,21.25 ; v5(8.9,25) R133.2@9.4,25 10,25.6 10.8,25.6 10.9,25.5 R128.1@11.5,25.5
NetR145_2: R145.2 U13.17 | length 1.6
  L12 w0.2: U13.17@67.1,21.75 67.65,21.75 R145.2@68.4,22.5
NetR146_1: R146.1 U13.24 | length 1.5
  L12 w0.2: U13.24@67.1,18.25 68.55,18.25 R146.1@68.6,18.3
NetR148_1: R148.1 U13.31 | length 1.6
  L12 w0.2: U13.31@63.45,17.6 63.45,16.05 R148.1@63.5,16
NetR149_2: R149.2 U13.12 | length 1.7
  L12 w0.2: U13.12@64.45,22.4 64.45,23.45 R149.2@64.9,23.9
NetR152_1: R152.1 R155.2 U13.2 | length 6.5
  L12 w0.093: R152.1@57.9,15.9 58.5,15.9 58.6,16 R155.2@59,16 59,17.5 59.4,17.9 61,17.9 61.85,18.75 U13.2@62.3,18.75
ON_5V_LDO: R127.1 U11.4 | length 5.6
  L12 w0.093: U11.4@7.7,20.25 8.45,20.25 9.7,21.5 11.5,21.5 11.8,21.8 12,21.8 12.2,22 R127.1@12.2,22.4
ON_5V_LDO_2: R151.1 U13.4 | length 4.2
  L12 w0.093: R151.1@58.2,19.6 58.9,19.6 59,19.5 61.35,19.5 61.6,19.75 U13.4@62.3,19.75